# Altium PCB QCLogic Rev A.PcbDoc (part 3 of 3)
Units mm, origin at the board's own origin, x right, y up, seen from the top; angles counter-clockwise.
Board outline 42 x 51.55 mm, 6 copper layers (Layer 1, Layer 2, Layer 3, Layer 4, Layer 5, Layer 6), stack 1.598 mm thick; 239 components, 183 nets, 740 pads, 472 vias.
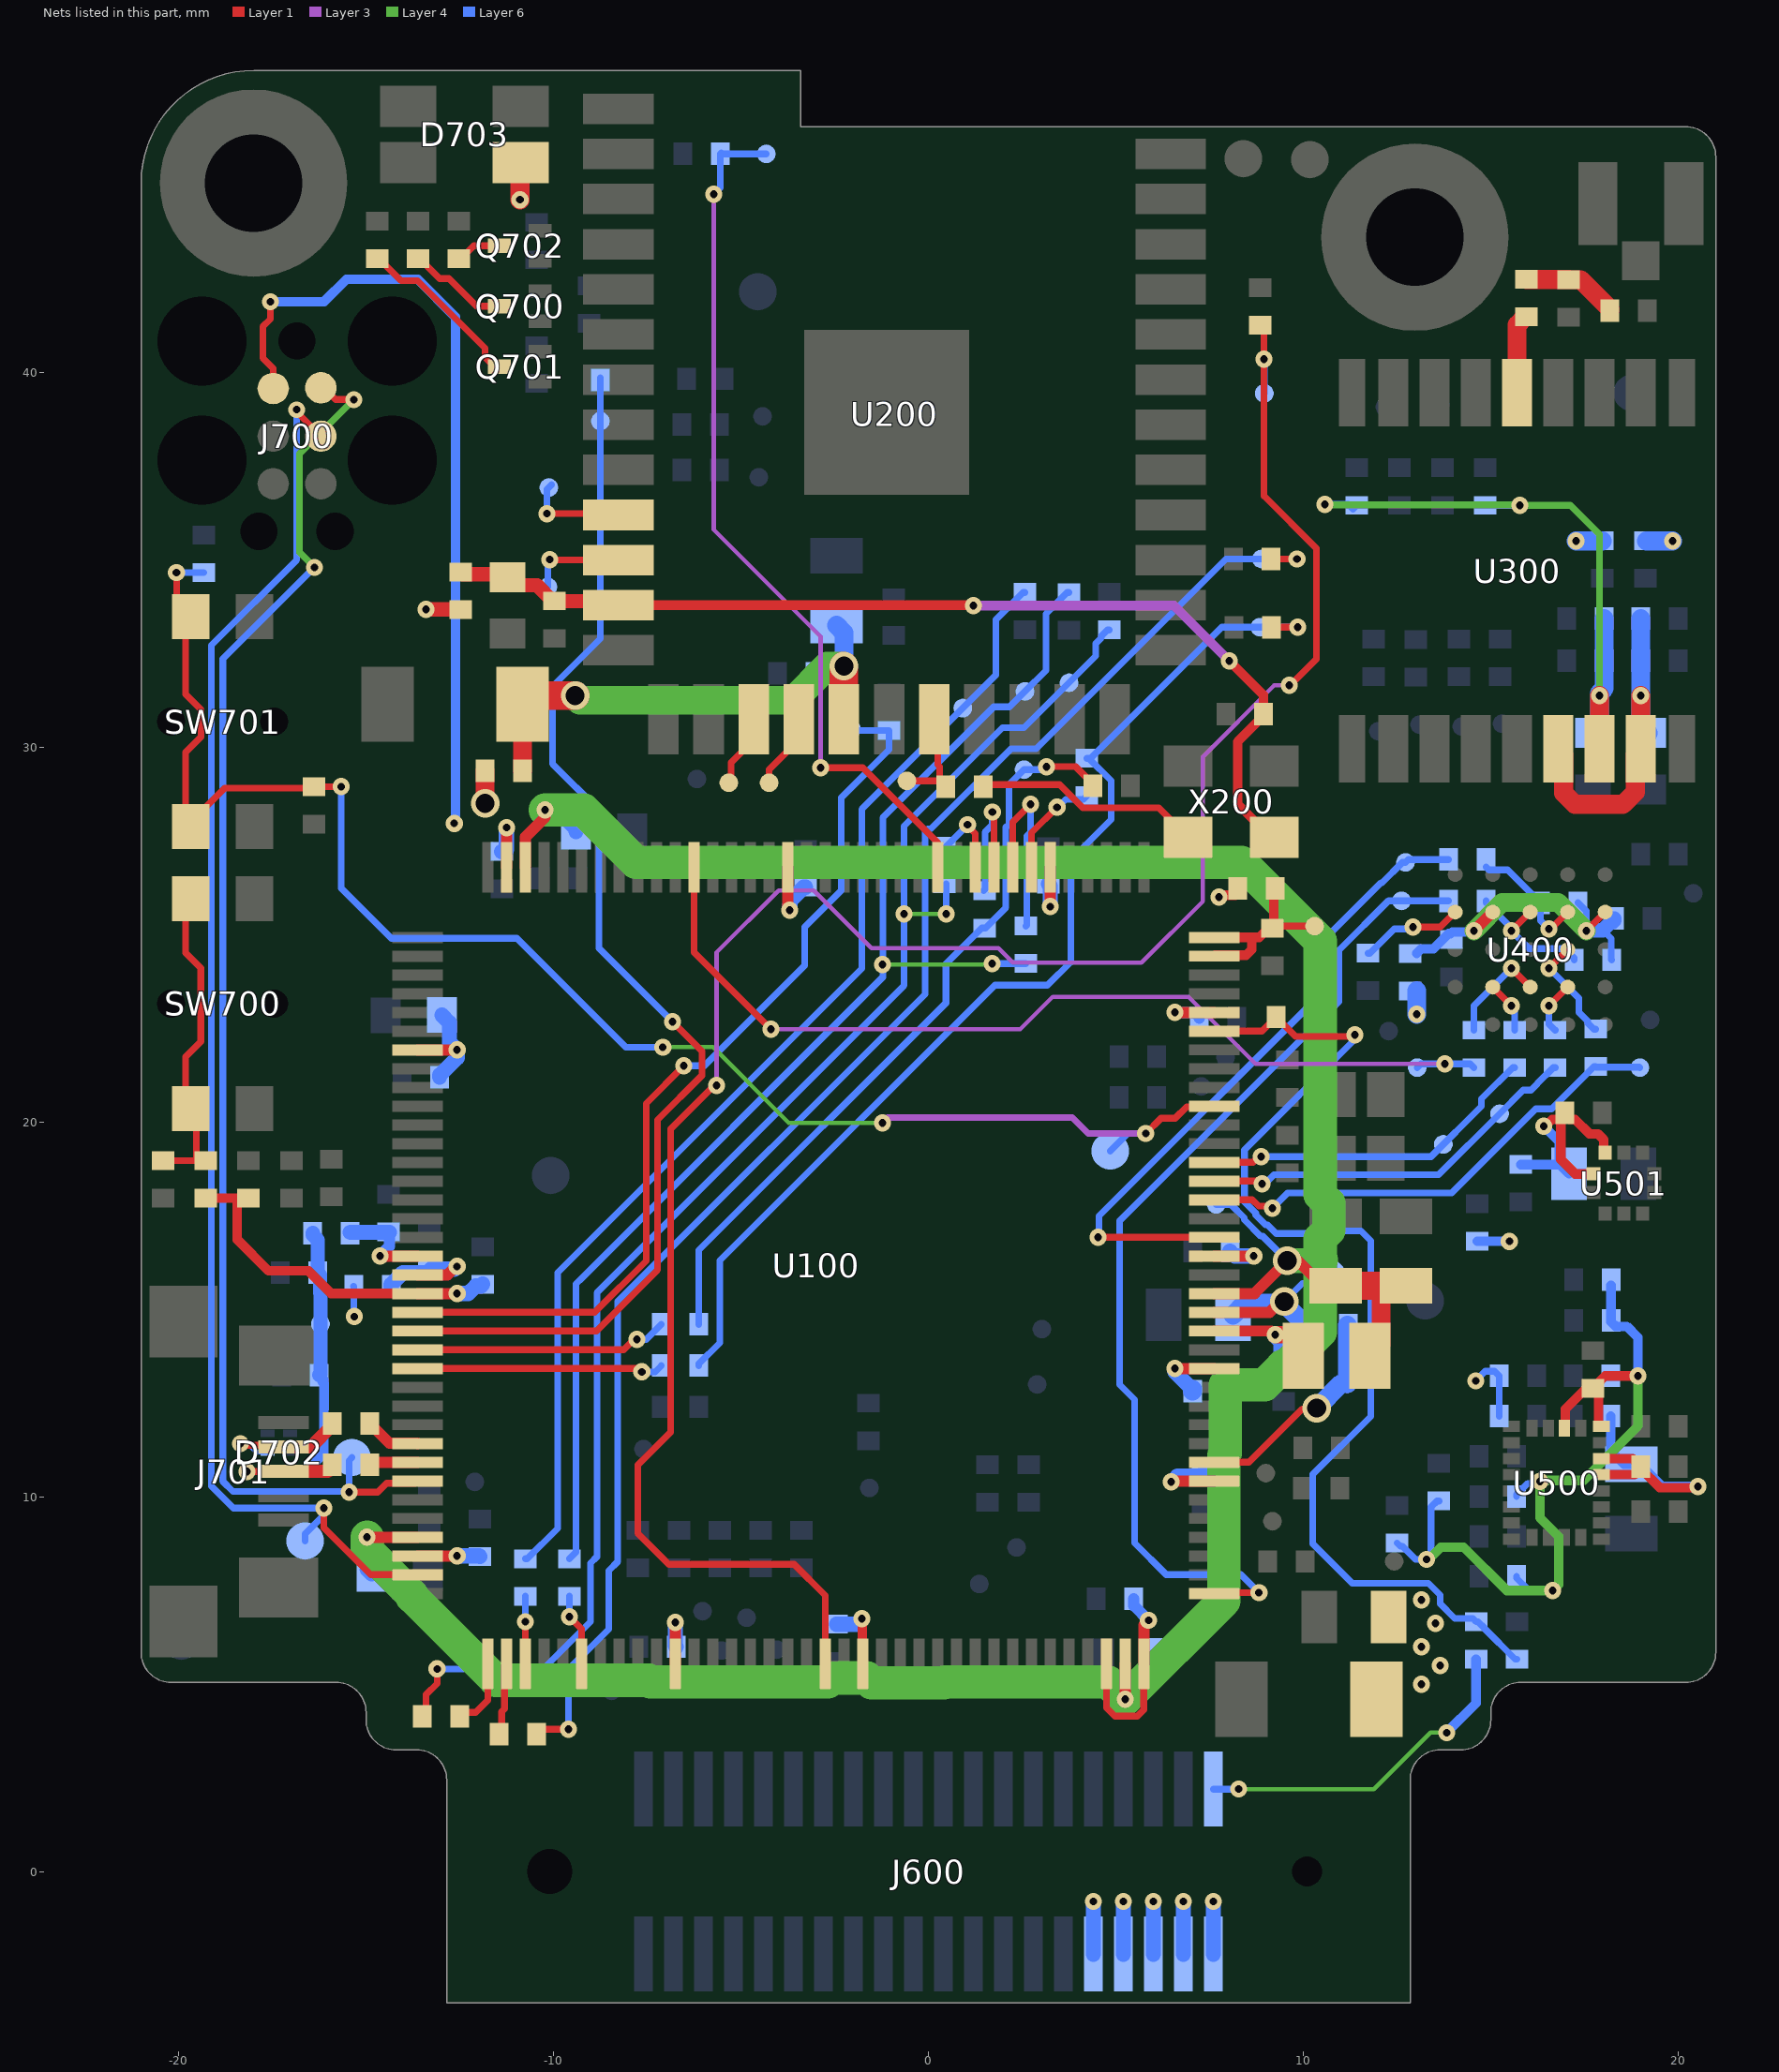
[diagram p7: the nets of this part, all layers, seen from the top]

## Via types
v1: diameter 0.457, hole 0.203, Layer 1 to Layer 6, tented both sides, 389 vias
v2: diameter 0.45, hole 0.2, Layer 1 to Layer 6, tented both sides, 52 vias
v3: diameter 0.508, hole 0.254, Layer 1 to Layer 6, 25 vias
v4: diameter 0.762, hole 0.508, Layer 1 to Layer 6, tented both sides, 6 vias

## Nets (pads, with @x,y where several pads share a name; then routed paths per layer and width w, separated by ;. In a path a pad name is that pad's centre, name@x,y a point inside that pad or via, vN(x,y) a via of type N, cw(c..) or ccw(c..) an arc to the next point about the centre after c; other vN are vias at no path point) (continued)
NetQ700_3: Q700.3 R706.1 | length 2.7
  Layer 1 w0.178: R706.1@-13.612,43.025 -13.562,43.025 -13.037,42.5 -12.787,42.5 -12.05,41.762 Q700.3@-11.446,41.762
NetQ701_3: Q701.3 R707.1 | length 4.6
  Layer 1 w0.178: R707.1@-14.7,43.025 -14.65,43.025 -14.067,42.443 -13.627,42.443 -11.825,40.641 -11.825,40.4 -11.575,40.15 Q701.3@-11.446,40.15
NetQ702_3: Q702.3 R708.1 | length 1.2
  Layer 1 w0.178: R708.1@-12.525,43.025 -12.475,43.025 -12.125,43.375 Q702.3@-11.446,43.375
NetR215_1: R215.1 X200.3 | length 6.6
  Layer 1 w0.178: R215.1@1.339,28.949 1.389,29 3.502,29 4.117,28.384 6.145,28.384 6.911,27.618 X200.3@7.309,27.618
NetR215_2: R215.2 TP214.1 U200.20 | length 3.2
  Layer 1 w0.178: TP214.1@-0.575,29.1 R215.2@0.313,29.1 ; U200.20@0.157,30.743 U200.20@0.248,30.652 ; U200.20@0.339,30.561 U200.20@0.248,30.652 ; U200.20@0.248,30.652 0.248,29.536 0.303,29.481 R215.2@0.303,29.125 ; R215.2@0.303,29.125 0.303,29.11 R215.2@0.313,29.1 ; R215.2@0.303,29.125 0.464,28.964 R215.2@0.464,28.949 R215.2@0.313,29.1
NetR701_2: R701.2 R703.1 SW700.2 SW700.4 | length 8.6
  Layer 1 w0.178: R703.1@-20.419,18.966 -19.427,18.966 -19.525,19.064 -19.525,20.008 -19.874,20.358 -19.808,20.358 -19.808,21.742 -19.405,22.145 -19.405,24.106 -19.808,24.509 -19.808,25.892 SW700.4@-19.874,25.958
NetTP212_1: TP212.1 U200.16 | length 2
  Layer 1 w0.178: TP212.1@-5.325,29.05 -5.263,29.112 -5.263,29.587 -4.7,30.15 -4.7,30.702 U200.16@-4.659,30.743
NetTP213_1: TP213.1 U200.17 | length 2
  Layer 1 w0.178: TP213.1@-4.25,29.05 -4.25,29.4 -3.525,30.125 -3.525,30.673 U200.17@-3.455,30.743
NetTP215_1: TP215.1 U200.10 | length 2.7
  Layer 1 w0.178: v1(-10.174,36.227) -8.303,36.227 U200.10@-8.27,36.194
  Layer 6 w0.178: v1(-10.174,36.227) -10.174,36.875 TP215.1@-10.125,36.925 TP215.1@-10.05,37
NetTP216_1: TP216.1 U200.11 | length 2.6
  Layer 1 w0.178: v1(-10.099,35.002) -10.087,34.99 U200.11@-8.27,34.99
  Layer 6 w0.178: TP216.1@-10.15,34.275 -10.15,34.952 v1(-10.099,35.002)
nRESET: D701.2 R704.1 SW701.2 SW701.4 TP702.1 U100.27 | length 42.9
  Layer 1 w0.178: v1(-20.055,34.654) -20.055,33.657 -19.808,33.411 -19.808,31.409 -19.4,31 -19.4,30.275 -19.808,29.866 -19.808,28.042 -19.874,27.976 -19.874,27.876 -19.798,27.876 -18.769,28.905 -16.575,28.905 -16.533,28.948 v1(-15.661,28.948) ; v1(5.796,19.692) 6.205,20.1 6.583,20.1 6.892,20.409 7.609,20.409 U100.27@7.625,20.425
  Layer 3 w0.178: v1(-1.225,19.975) -1.083,20.117 3.834,20.117 4.259,19.692 v1(5.796,19.692)
  Layer 4 w0.114: v1(-7.084,21.996) -5.746,21.996 -3.725,19.975 v1(-1.225,19.975)
  Layer 6 w0.178: v1(-20.055,34.654) R704.1@-19.327,34.654 ; v1(-15.661,28.948) -15.661,26.236 -14.325,24.9 -10.975,24.9 -8.071,21.996 v1(-7.084,21.996) ; TP702.1@4.85,19.225 5.317,19.692 v1(5.796,19.692)
QSPI1_CSn: R409.2 U400.C2 | length 2.8
  Layer 1 w0.178: v1(15.55,24.1) U400.C2@16.05,23.6
  Layer 6 w0.178: R409.2@14.55,22.45 14.55,23.1 v1(15.55,24.1)
QSPI1_D0: R404.2 U400.D3 | length 2.9
  Layer 1 w0.178: v1(16.55,24.1) U400.D3@17.05,24.6
  Layer 6 w0.178: v1@16.55,24.066 16.584,24.066 17.35,23.3 17.35,22.925 17.589,22.686 17.589,22.636 17.75,22.475 R404.2@17.8,22.475
QSPI1_D1: R405.2 U400.D2 | length 1.4
  Layer 1 w0.178: v1(16.55,23.1) U400.D2@17.05,23.6
  Layer 6 w0.178: v1(16.55,23.1) 16.55,22.611 16.712,22.45 R405.2@16.717,22.45
QSPI1_D2: R400.2 R406.2 U400.C4 | length 3.8
  Layer 1 w0.178: v1(15.55,25.1) U400.C4@16.05,25.6
  Layer 6 w0.178: R406.2@14.875,25.9 14.875,25.85 15.507,25.219 15.507,25.144 v1(15.55,25.1) 16.025,24.625 16.925,24.625 17.014,24.536 17.064,24.536 17.225,24.375 R400.2@17.225,24.325
QSPI1_D3: R401.2 R407.2 U400.D4 | length 3.3
  Layer 1 w0.178: v1@16.576,25.125 U400.D4@17.05,25.6
  Layer 6 w0.178: R407.2@14.875,26.8 14.95,26.725 15.45,26.725 R401.2@16.325,25.85 16.325,25.376 v1(16.55,25.151)
QSPI1_RESETn: R408.2 U400.A4 | length 2.9
  Layer 1 w0.178: v1(12.925,25.2) 13.65,25.2 U400.A4@14.05,25.6
  Layer 6 w0.18: R408.2@11.725,24.5 11.775,24.5 12.427,25.152 12.878,25.152 v1@12.882,25.157 ; v1@12.807,25.157 v1@12.882,25.157 ; v1(12.925,25.2) v1@12.882,25.157
QSPI1_SCK: R402.2 U400.B2 | length 1.4
  Layer 1 w0.178: U400.B2@15.05,23.6 v1(15.55,23.1)
  Layer 6 w0.178: v1(15.55,23.1) 15.55,23.05 15.634,22.967 R402.2@15.634,22.45
QSPI_CLK: R402.1 TP400.1 U100.24 | length 9.2
  Layer 1 w0.18: U100.24@7.625,18.925 8.664,18.925 8.814,19.075 v1(8.875,19.075)
  Layer 6 w0.18: v1(8.875,19.075) 13.405,19.075 14.75,20.42 14.75,20.617 15.584,21.45 R402.1@15.634,21.45
QSPI_CSN: R409.1 TP406.1 U100.61 | length 26
  Layer 1 w0.18: U100.61@-6.25,26.8 -6.25,24.525 v1(-4.2,22.475)
  Layer 3 w0.115: v1(-4.2,22.475) 2.45,22.475 3.313,23.338 6.938,23.338 8.724,21.551 v1(13.777,21.551)
  Layer 6 w0.178: TP406.1@13.038,21.45 13.139,21.551 v1(13.777,21.551) 13.777,21.449 v1@13.8,21.425
  Layer 6 w0.18: v1(13.777,21.551) 14.449,21.551 R409.1@14.55,21.45
QSPI_IO0: R404.1 TP401.1 U100.22 | length 13
  Layer 1 w0.18: U100.22@7.625,17.925 8.64,17.925 8.811,17.754 9.123,17.754 v1(9.177,17.701)
  Layer 6 w0.18: v1(9.177,17.701) 9.582,18.106 13.957,18.106 16.2,20.35 16.625,20.35 17.75,21.475 R404.1@17.8,21.475 17.813,21.463 18.963,21.463 TP401.1@18.975,21.45
QSPI_IO1: R405.1 TP402.1 U100.23 | length 10.4
  Layer 1 w0.18: U100.23@7.625,18.425 8.825,18.425 v1(8.9,18.35)
  Layer 6 w0.18: v1(8.9,18.35) 8.976,18.35 9.216,18.591 13.606,18.591 TP402.1@15.235,20.219 15.865,20.85 16.075,20.85 16.253,21.027 16.253,21.036 16.667,21.45 R405.1@16.717,21.45
QSPI_IO2: R406.1 TP403.1 U100.1 | length 27
  Layer 1 w0.178: U100.1@7.588,7.388 U100.1@7.625,7.425 7.643,7.442 v1(8.817,7.442)
  Layer 6 w0.178: v1(8.817,7.442) 8.334,7.925 6.343,7.925 5.498,8.77 5.498,12.595 5.102,12.991 5.102,17.363 10.95,23.211 10.95,24.58 12.27,25.9 TP403.1@12.621,25.9 R406.1@13.875,25.9
QSPI_IO3: R407.1 TP404.1 U100.20 | length 17.8
  Layer 1 w0.178: v1@4.451,16.926 v1(4.526,16.926) U100.20@7.625,16.925
  Layer 6 w0.178: v1(4.526,16.926) 4.55,16.95 4.55,17.494 10.468,23.411 10.468,24.78 12.07,26.383 12.101,26.383 12.643,26.925 TP404.1@12.725,26.925 12.8,27 R407.1@13.875,27
SWDCLK: J700.4 TP703.1 U100.107 | length 38.5
  Layer 1 w0.178: v2(-16.85,39) -16.85,38.94 J700.4@-16.206,38.296 ; v1(-16.125,9.7) -16.125,9.175 -14.875,7.925 U100.107@-13.625,7.925
  Layer 6 w0.178: v2(-16.85,39) -16.85,34.989 -19.123,32.715 -19.123,10.288 -18.536,9.7 v1(-16.125,9.7) -16.178,9.647 -16.178,9.461 -16.625,9.015 TP703.1@-16.625,8.825
SWDIO: J700.2 TP701.1 U100.102 | length 38
  Layer 1 w0.178: J700.2@-16.206,39.586 -16.128,39.586 -15.816,39.275 v2(-15.325,39.275) ; v1(-15.45,10.125) -14.687,10.125 -14.45,10.363 -13.686,10.363 U100.102@-13.625,10.425
  Layer 4 w0.178: v2(-16.375,34.8) -16.775,35.2 -16.775,37.825 v2(-15.325,39.275)
  Layer 6 w0.178: v2(-16.375,34.8) -18.819,32.356 -18.819,10.414 -18.552,10.147 v1@-15.453,10.147 ; v1(-15.45,10.125) -15.45,10.144 v1@-15.453,10.147 ; TP701.1@-15.375,11.05 -15.453,10.971 v1@-15.453,10.147
USB_D_N: D702.2 J701.2 R105.1 | length 3.6
  Layer 1 w0.178: v2(-18.35,11.425) -18.3,11.375 -17.251,11.375 J701.2@-17.201,11.325
  Layer 1 w0.35: J701.2@-17.201,11.325 -16.476,11.325 -15.898,11.902 R105.1@-15.898,11.952
  Layer 6 w0.127: v2(-18.35,11.425) -18.164,11.425 -17.93,11.191 D702.2@-17.622,11.191
USB_D_P: D702.1 J701.3 R106.1 | length 2.9
  Layer 1 w0.178: v1(-18.178,10.675) J701.3@-17.201,10.675
  Layer 1 w0.35: J701.3@-17.201,10.675 -16.026,10.675 -15.898,10.802 R106.1@-15.898,10.852
  Layer 6 w0.127: v1(-18.178,10.675) -18.162,10.691 D702.1@-17.622,10.691
USB_DM: R105.2 U100.100 | length 1.5
  Layer 1 w0.3: R105.2@-14.898,11.952 -14.898,11.902 -14.798,11.802 -14.748,11.802 -14.38,11.434 -13.633,11.434 U100.100@-13.625,11.425
USB_DP: R106.2 U100.101 | length 1.3
  Layer 1 w0.3: R106.2@-14.898,10.852 -14.834,10.916 -13.633,10.916 U100.101@-13.625,10.925
V3_3D: C600.1 C601.1 D703.1 J600.1 J600.3 J600.5 J600.7 J600.9 R200.2 R216.1 R300.1 R302.1 R403.2 R500.1 R501.1 R524.1 R800.1 R802.2 TP801.1 U100.8 | length 21.3
  Layer 1 w0.178: U100.8@7.625,10.925 8.55,10.925 9.97,12.344 10.337,12.344 v4(10.359,12.367)
  Layer 1 w0.381: v1(-13.4,33.675) R200.2@-12.475,33.675
  Layer 1 w0.508: v4(-11.825,28.5) R216.1@-11.825,29.375 ; v1(-10.894,44.602) -10.894,45.581 D703.1@-10.875,45.6
  Layer 6 w0.178: R802.2@-15.331,15.615 -15.321,15.605 -15.321,14.819 v1(-15.311,14.809) ; v2(14.6,13.1) 14.85,13.35 15.1,13.35 R500.1@15.225,13.225 R501.1@15.225,12.15
  Layer 6 w0.254: R524.1@14.636,16.823 14.64,16.819 15.493,16.819 v1(15.497,16.815)
  Layer 6 w0.406: J600.9@4.4,-2.2 v2(4.4,-0.799) ; J600.7@5.2,-2.2 v2(5.2,-0.799) ; J600.5@6,-2.2 v2(6,-0.799) ; J600.3@6.8,-2.2 v2(6.8,-0.799) ; J600.1@7.6,-2.2 v2(7.6,-0.799)
  Layer 6 w0.508: v4(10.359,12.367) 11.012,13.019 TP801.1@11.175,13.019 R800.1@11.175,14.575 ; v1(13.025,22.875) R403.2@13.025,23.5 ; v1(17.275,35.5) R300.1@17.975,35.5 ; R302.1@19.15,35.5 v1(19.85,35.5)
  other v1: 13.15,5 13.65,5.5 13.15,6 13.527,6.625 13.15,7.25
V_GPS_IO: C300.1 C301.2 L300.2 R303.1 R304.1 U300.7 | length 18.4
  Layer 1 w0.508: U300.7@17.9,29.95 v1(17.9,31.375)
  Layer 4 w0.178: v1(10.575,36.475) 10.588,36.463 15.763,36.463 v1(15.775,36.45) 17.125,36.45 17.9,35.675 v1(17.9,31.375)
  Layer 6 w0.178: v1(10.575,36.475) 11.2,36.475 11.325,36.35 R304.1@11.425,36.45 ; R303.1@14.851,36.45 v1(15.775,36.45)
  Layer 6 w0.508: C300.1@17.775,30.375 17.9,30.5 v1(17.9,31.375) 17.9,31.444 18.025,31.569 C301.2@18.025,32.3 L300.2@18.025,33.425
V_GPS_RF: R305.1 U300.14 | length 2.2
  Layer 1 w0.508: U300.14@15.7,39.45 15.7,41.267 15.908,41.475 R305.1@15.95,41.475
V_GPS_VCC: C302.1 C303.2 L301.2 U300.6 U300.8 | length 9.2
  Layer 1 w0.508: U300.6@16.8,29.95 16.946,29.804 16.946,28.773 17.244,28.475 18.525,28.475 18.854,28.804 18.854,29.804 U300.8@19,29.95 v1(19,31.375)
  Layer 6 w0.508: L301.2@19,33.425 C303.2@19,32.3 v1(19,31.375) 19,30.521 19.146,30.375 C302.1@19.2,30.375
V_IMU_IO: C502.2 L500.2 R513.2 R514.2 R515.2 R516.2 R517.1 R518.1 U500.1 U500.3 | length 24
  Layer 1 w0.254: U500.3@16.965,11.825 16.988,11.848 16.988,12.338 17.55,12.9 C502.2@17.725,12.9 ; U500.1@17.95,11.88 17.875,11.88 17.875,12.754 17.729,12.9 C502.2@17.725,12.9 ; v1(18.925,13.225) 18.05,13.225 C502.2@17.725,12.9
  Layer 4 w0.254: v1(13.287,8.331) 13.342,8.331 13.668,8.658 14.275,8.658 15.433,7.5 v1(16.65,7.5) 16.808,7.658 16.808,8.945 16.31,9.443 v1(16.31,10.414) 16.335,10.439 17.475,10.439 18.925,11.89 v1(18.925,13.225)
  Layer 6 w0.178: R516.2@12.504,8.771 12.593,8.681 12.644,8.681 12.994,8.331 v1(13.287,8.331) 13.287,8.407 13.407,8.526 13.407,9.727 13.568,9.889 R515.2@13.618,9.889 ; R517.1@15.689,7.882 15.689,7.832 16.021,7.5 v1(16.65,7.5) ; R518.1@15.689,10.012 15.689,10.062 15.988,10.361 16.256,10.361 v1(16.31,10.414) ; L500.2@18.2,13.225 18.875,13.225 v1@18.9,13.225
  Layer 6 w0.254: R514.2@18.207,15.646 R513.2@18.207,14.707 18.207,14.67 18.33,14.547 18.628,14.547 18.925,14.25 v1(18.925,13.225) ; v1@18.875,13.198 v1@18.875,13.225
V_IMU_VDD: C500.2 C501.1 L501.2 U500.22 U500.23 | length 7.7
  Layer 1 w0.254: U500.22@17.95,10.59 18.84,10.59 C500.2@19,10.75 ; U500.23@17.95,11.02 18.78,11.02 18.827,10.973 18.877,10.973 19,10.85 C500.2@19,10.8 C500.2@19,10.75 ; v1(20.527,10.276) 20.486,10.276 20.456,10.246 19.504,10.246 C500.2@19,10.75
  Layer 6 w0.254: L501.2@18.2,12.15 18.2,11.223 18.548,10.875 C501.1@18.75,10.875 18.975,10.875 19.575,10.276 v1(20.527,10.276)
V_LPS22: C505.2 C506.1 L502.2 U501.1 U501.10 | length 7.1
  Layer 1 w0.254: v1(16.411,19.888) 16.453,19.888 16.635,20.071 16.855,20.071 C505.2@16.868,20.084 ; C505.2@16.978,20.244 C505.2@16.978,20.194 ; U501.1@17.732,18.614 17.253,18.614 16.868,18.999 C505.2@16.868,20.084 ; U501.10@18.045,19.177 18.009,19.213 18.009,19.535 17.859,19.685 17.628,19.685 17.242,20.071 17.101,20.071 C505.2@16.978,20.194 ; C505.2@16.868,20.084 C505.2@16.978,20.194
  Layer 6 w0.254: L502.2@15.802,18.864 C506.1@16.839,18.864 ; v1(16.411,19.888) 16.824,19.475 16.824,18.879 C506.1@16.839,18.864 ; C506.1@17.085,18.618 C506.1@16.839,18.864
VBAT: J600.2 R112.1 | length 9.1
  Layer 4 w0.114: v2(8.275,2.2) 11.883,2.2 13.391,3.708 v2(13.82,3.708)
  Layer 6 w0.178: J600.2@7.6,2.2 v2(8.275,2.2)
  Layer 6 w0.254: v2(13.82,3.708) 14.608,4.496 R112.1@14.608,5.672
VBAT_SENSE: C100.2 R112.2 R113.1 U100.31 | length 29.3
  Layer 1 w0.178: U100.31@7.625,22.425 8.9,22.425 C100.2@9.275,22.8 9.791,22.284 11.335,22.284 v1(11.375,22.325)
  Layer 6 w0.178: v1(11.375,22.325) 11.375,22.204 8.431,19.259 8.431,17.87 8.732,17.569 8.732,17.517 8.992,17.256 9.044,17.256 9.276,17.025 10.575,17.025 10.646,17.095 11.536,17.095 11.796,16.835 11.796,12.146 10.25,10.6 10.25,8.75 11.306,7.695 13.335,7.695 13.65,7.379 13.65,7.149 14.041,6.758 14.522,6.758 R112.2@14.608,6.672 14.658,6.672 14.819,6.511 14.819,6.502 15.649,5.672 R113.1@15.699,5.672
VBAT_WIFI: C200.1 C201.1 C202.2 R216.2 U200.18 | length 14.4
  Layer 1 w0.508: R216.2@-10.825,29.375 C200.1@-10.825,31.15
  Layer 1 w0.762: C200.1@-10.825,31.15 -10.6,31.375 v4(-9.425,31.375) ; U200.18@-2.276,30.718 U200.18@-2.251,30.743 v4(-2.251,32.159)
  Layer 4 w0.762: v4(-9.425,31.375) -9.3,31.25 -3.61,31.25 -2.701,32.159 v4(-2.251,32.159)
  Layer 6 w0.381: C202.2@-3.025,31.975 -3.025,32.025 -2.965,32.084 -2.428,32.084 -2.354,32.159 v4(-2.251,32.159)
  Layer 6 w0.508: C201.1@-2.45,33.25 -2.251,33.051 v4(-2.251,32.159)
VCC_MEM: C400.1 C401.1 R400.1 R401.1 R403.1 U400.B4 U400.E4 | length 9.5
  Layer 1 w0.178: v1(17.55,25.1) U400.E4@18.05,25.6
  Layer 1 w0.3: v1(14.55,25.1) U400.B4@15.05,25.6
  Layer 4 w0.508: v1(14.55,25.1) 15.308,25.857 16.793,25.857 v1(17.55,25.1)
  Layer 6 w0.178: R401.1@17.325,25.85 17.55,25.625 v1(17.55,25.1) v1@17.557,25.1 ; 17.99,25.115 18.213,24.892 18.213,24.338 R400.1@18.225,24.325
  Layer 6 w0.254: R403.1@13.025,24.5 13.148,24.623 13.473,24.623 13.875,25.025 13.925,25.025 13.971,25.071 14.521,25.071 v1(14.55,25.1)
  Layer 6 w0.381: v1(17.55,25.1) 17.565,25.115 17.99,25.115 18.191,25.316 18.241,25.316 18.3,25.375 C401.1@18.3,25.425
VDD33USB: C816.1 R802.1 U100.91 | length 3.2
  Layer 1 w0.3: U100.91@-13.625,15.925 -12.824,15.925 -12.602,16.148 v1(-12.573,16.148) v1@-12.598,16.122
  Layer 6 w0.406: R802.1@-14.331,15.615 -14.331,15.665 -14.015,15.982 -13.357,15.982 C816.1@-13.31,16.029 -13.263,16.075 -12.645,16.075 v1(-12.573,16.148)
VDD50USB: C813.1 R801.1 U100.90 | length 2.8
  Layer 1 w0.3: v1(-14.628,16.425) U100.90@-13.625,16.425
  Layer 6 w0.3: v1(-14.628,16.425) -14.628,16.43 -14.374,16.684 C813.1@-14.374,17.053
  Layer 6 w0.406: R801.1@-15.42,17.053 C813.1@-14.374,17.053
VDD_ANT_3V0: C305.1 L303.2 R305.2 | length 2.6
  Layer 1 w0.508: R305.2@15.95,42.475 15.951,42.474 C305.1@17.077,42.473 C305.1@17.077,42.473 17.081,42.469 17.398,42.469 18.176,41.692 L303.2@18.176,41.65
VDD_MCU: C800.1 C801.1 C802.2 C803.2 C804.2 C805.2 C806.2 C807.2 C808.2 C809.2 C817.2 C818.2 C819.2 C820.2 C821.2 J700.1 L801.1 R700.1 R701.1 R800.2 TP700.1 U100.7 U100.13 U100.16 U100.19 U100.32 U100.42 U100.56 U100.71 U100.79 U100.92 U100.106 U100.119 U100.129 U100.142 U100.144 | length 65.2
  Layer 1 w0.178: v2(-17.549,41.885) -17.549,41.421 -17.755,41.215 -17.755,40.38 -17.476,40.101 J700.1@-17.476,39.566 ; U100.142@4.75,5.55 4.75,4.375 4.975,4.15 5.575,4.15 5.743,4.318 5.743,5.543 U100.144@5.75,5.55
  Layer 1 w0.254: R701.1@-19.427,17.966 R701.1@-19.277,17.966 -18.434,17.966 -18.434,16.862 -17.599,16.027 -16.533,16.027 -15.93,15.425 U100.92@-13.625,15.425 ; v1(-1.774,6.75) -1.774,6.725 -1.762,6.713 -1.762,5.562 U100.129@-1.75,5.55 ; L801.1@8.25,26.1 8.191,26.04 v1@7.845,26.04 ; L801.1@8.25,26.225 8.25,26.175 8.127,26.052 7.857,26.052 v1@7.845,26.04 ; v1@7.845,26.04 7.806,26.001 v1(7.751,26.001) 7.79,26.04 v1@7.845,26.04
  Layer 1 w0.3: U100.106@-13.625,8.425 v1(-12.572,8.425) ; U100.92@-13.625,15.425 v1(-12.572,15.425) ; U100.79@-13.625,21.925 v1(-12.572,21.925) ; U100.71@-11.25,26.8 v1(-11.25,27.853) ; U100.119@-6.749,5.55 v1(-6.749,6.65) ; U100.56@-3.75,26.8 -3.75,25.702 v1(-3.699,25.651) ; v1(3.25,25.747) U100.42@3.25,26.8 ; U100.144@5.75,5.55 5.75,6.586 v1(5.87,6.706) ; v1(6.475,10.4) 6.5,10.425 U100.7@7.625,10.425 ; v1(6.572,13.425) U100.13@7.625,13.425 ; v1(6.572,22.925) U100.32@7.625,22.925 ; U100.16@7.625,14.925 9.099,14.925 9.382,15.208 v4(9.493,15.208) ; U100.19@7.625,16.425 v1(8.678,16.425)
  Layer 6 w0.178: v4(9.493,15.208) 9.978,15.693 10.493,15.693 TP700.1@10.65,15.85
  Layer 6 w0.254: v2(-17.549,41.885) -16.115,41.885 -15.519,42.481 -13.619,42.481 -12.617,41.478 -12.617,27.995 v1(-12.646,27.965)
  Layer 6 w0.3: v1@-6.751,6.602 -6.749,6.603 v1(-6.749,6.65) ; C820.2@5.479,7.283 5.479,7.097 v1(5.87,6.706) ; v1(6.572,22.925) 6.583,22.914 7.086,22.914 7.1,22.9 7.15,22.9 7.225,22.825 C818.2@7.225,22.775
  Layer 6 w0.406: C802.2@-13.035,21.199 -13.035,21.249 -12.572,21.712 v1(-12.572,21.925) -12.778,22.131 -12.778,22.653 C801.1@-12.975,22.85 ; v1(-12.572,8.425) -11.979,8.425 C808.2@-11.963,8.409 ; v1(-12.572,15.425) -12.275,15.425 -12.073,15.626 -11.934,15.626 C807.2@-11.887,15.673 ; C806.2@-11.378,27.214 C806.2@-11.328,27.214 ; C806.2@-11.257,27.261 -11.303,27.214 C806.2@-11.328,27.214 ; v1(-11.25,27.853) -11.259,27.843 -11.259,27.333 -11.282,27.311 -11.282,27.261 C806.2@-11.328,27.214 ; v1@-6.751,6.602 -6.751,6.027 C803.2@-6.725,6 ; v1@-3.699,25.791 v1(-3.699,25.651) -3.689,25.661 -3.689,25.902 -3.326,26.265 C809.2@-3.276,26.265 ; C804.2@-2.45,6.6 -1.924,6.6 v1(-1.774,6.75) ; C805.2@3.2,26.35 3.247,26.303 3.247,25.75 v1(3.25,25.747) ; v1(6.475,10.4) 6.489,10.4 6.642,10.553 7.279,10.553 C821.2@7.325,10.6 ; v1(6.572,13.425) 6.572,13.334 C819.2@7.044,12.862 ; C817.2@8.044,16.554 8.044,16.504 8.091,16.457 8.141,16.457 8.173,16.425 v1(8.678,16.425)
  Layer 6 w0.508: C819.2@7.044,12.82 C819.2@7.044,12.862 ; C800.1@8.125,14.85 8.435,15.159 9.445,15.159 v4(9.493,15.208) 9.493,15.149 R800.2@10.134,14.509
VDD_MCU_SMPS_OUT: C810.1 C811.1 C823.1 C824.1 C825.1 L800.1 TP802.1 U100.17 U100.70 U100.105 U100.143 | length 86.6
  Layer 1 w0.3: v1(-14.975,8.925) U100.105@-13.625,8.925 ; U100.70@-10.75,26.8 -10.75,27.6 -10.225,28.125 v1(-10.225,28.325) ; v1(5.25,4.6) U100.143@5.25,5.55 ; U100.17@7.625,15.425 8.695,15.425 v4(9.57,16.3) 9.85,16.3 10.308,15.843 10.651,15.843 C810.1@10.865,15.629
  Layer 1 w0.5: L800.1@11.775,13.76 12.075,14.06 12.075,15.337 C811.1@12.367,15.629
  Layer 1 w0.75: C810.1@10.865,15.629 12.367,15.629 C811.1@12.592,15.629
  Layer 4 w0.66: v4(9.57,16.3) 10.45,16.3
  Layer 4 w0.889: v1(-14.975,8.925) -14.975,8.58 -13.777,7.382 -13.777,7.343 -11.54,5.107 -7.462,5.107 -7.422,5.066 -3.974,5.066 -3.971,5.063 -2.677,5.063 -2.571,5.169 -1.647,5.169 -1.516,5.038 0.423,5.038 0.449,5.064 4.787,5.064 v1(5.25,4.6) 7.878,7.228 7.878,11.113 7.915,11.149 7.915,12.992 8.97,12.992 9.439,13.461 9.439,13.489 9.491,13.437 10.45,14.396 10.45,16.3 ; v1(-10.225,28.325) -9.2,28.325 -7.801,26.926 8.349,26.926 10.45,24.825 10.45,18.058 10.677,17.832 10.677,17.107 10.45,16.881 10.45,16.3 ; 10.477,16.326 10.45,16.3
  Layer 6 w0.178: TP802.1@7.675,17.8 8.07,17.8 8.427,17.442 8.427,17.39 8.866,16.952 8.918,16.952 v4(9.57,16.3)
  Layer 6 w0.406: v1(-14.975,8.925) -14.975,8.075 C823.1@-14.85,7.95 ; v1(-10.225,28.325) -9.9,28.325 -9.4,27.825 C824.1@-9.4,27.75 ; v1(5.25,4.6) 6.05,5.4 C825.1@6.05,5.75
VDDA: C822.2 L801.2 TP805.1 U100.35 U100.36 | length 5.4
  Layer 1 w0.178: C822.2@9.175,25.225 9.213,25.225 TP805.1@10.3,25.225
  Layer 1 w0.254: U100.35@7.625,24.425 7.65,24.45 8.477,24.45 8.625,24.599 8.625,24.925 ; U100.36@7.625,24.925 8.625,24.925 ; C822.2@9.175,25.175 9.213,25.212 9.213,25.225 C822.2@9.213,25.263 ; L801.2@9.25,26.1 L801.2@9.213,26.063 ; L801.2@9.25,26.225 9.213,26.188 L801.2@9.213,26.063 ; 8.625,24.925 8.825,24.925 9.125,25.225 9.175,25.225 C822.2@9.213,25.263 ; C822.2@9.213,25.263 L801.2@9.213,26.063
VDDIO_WIFI: C203.2 C204.1 C205.2 R200.1 U200.12 X200.4 | length 27.2
  Layer 1 w0.254: U200.12@-8.27,33.786 1.19,33.786 v1(1.2,33.775) ; v1(8.025,32.3) 8.933,31.392 C205.2@8.933,30.88 8.933,30.83 8.25,30.147 8.25,28.479 9.13,27.6 X200.4@9.23,27.6
  Layer 1 w0.381: R200.1@-12.475,34.675 -12.415,34.615 -11.315,34.615 C204.1@-11.224,34.525 -11.015,34.316 -10.44,34.316 -10.025,33.9 C203.2@-9.975,33.9 ; C203.2@-9.9,33.9 -9.896,33.896 -8.381,33.896 U200.12@-8.27,33.786
  Layer 3 w0.254: v1(1.2,33.775) 6.55,33.775 v1(8.025,32.3)
VLXSMPS: C812.2 L800.2 U100.15 | length 3.7
  Layer 1 w0.3: U100.15@7.625,14.425 9.149,14.425 v1(9.248,14.326)
  Layer 1 w0.457: v1(9.248,14.326) 9.635,14.326 9.684,14.375 10.005,14.054 L800.2@10.005,13.76
  Layer 6 w0.457: v1(9.248,14.326) 9.425,14.149 9.425,13.575 C812.2@9.475,13.575
VUSB_VBUS: C700.2 D702.6 R705.2 R801.2 TP804.1 | length 7.2
  Layer 6 w0.254: D702.6@-17.022,10.691 -17.022,10.695 -16.579,10.695 -16.129,11.146 -16.129,12.339 -16.117,12.351 -16.117,13.023 -16.179,13.086 -16.131,13.134 R705.2@-16.246,13.248
  Layer 6 w0.381: R801.2@-16.42,17.037 -16.42,16.987 -16.285,16.851 C700.2@-16.285,15.977 -16.225,15.917 -16.225,15.444 -16.216,15.434 TP804.1@-16.216,14.613 -16.216,13.279 R705.2@-16.246,13.248
WIFI_CHIP_EN: R211.2 TP203.1 U100.93 | length 24.8
  Layer 1 w0.178: U100.93@-13.625,14.925 -8.897,14.925 -7.528,16.294 -7.528,20.497 v1(-6.525,21.5)
  Layer 6 w0.178: v1(-6.525,21.5) -5.975,21.5 -3.3,24.175 -3.3,25.2 -2.325,26.175 -2.325,28.65 -1.047,29.928 R211.2@-1.047,30.447 -2.022,30.447 TP203.1@-2.05,30.475
WIFI_IRQN: R201.1 TP205.1 U100.127 | length 57.4
  Layer 1 w0.178: v1(-5.65,20.975) -5.711,20.975 -6.875,19.812 -6.875,11.725 -7.75,10.85 -7.75,9.025 -6.925,8.2 -3.581,8.2 -2.75,7.369 U100.127@-2.75,5.55 ; R201.1@8.85,41.25 8.95,41.15 v1(8.95,40.35) 8.95,36.7 8.959,36.692 10.35,35.3 10.35,32.35 9.652,31.652 v1(9.627,31.652)
  Layer 3 w0.114: v1(-5.65,20.975) -5.65,24.522 -3.997,26.175 -3.057,26.175 -1.52,24.638 1.871,24.638 2.259,24.251 5.682,24.251 7.314,25.882 7.314,29.742 9.224,31.652 v1(9.627,31.652)
  Layer 6 w0.178: v1(8.95,40.35) 8.959,40.342 TP205.1@8.959,39.437
WIFI_RESETN: R212.2 TP204.1 U100.94 | length 33.5
  Layer 1 w0.178: U100.94@-13.625,14.425 -8.85,14.425 -7.223,16.052 -7.223,20.058 -6.042,21.238 -6.042,21.893 v1(-6.825,22.675)
  Layer 6 w0.178: R212.2@-8.75,39.85 R212.2@-8.75,39.8 TP204.1@-8.75,38.696 -8.75,32.894 -10.021,31.622 -10.021,29.552 -8.784,28.314 -8.784,24.634 v1(-6.825,22.675)
WIFI_SDIO_CLK: R111.1 R208.2 TP202.1 | length 31.4
  Layer 6 w0.178: R111.1@-10.75,8.35 -10.7,8.35 -9.89,9.159 -9.89,15.979 -1.776,24.093 -1.776,28.349 1.175,31.3 1.8,31.925 1.8,32.663 1.8,33.4 2.525,34.125 R208.2@2.575,34.125
WIFI_SDIO_CMD: R100.2 U100.114 | length 1.9
  Layer 1 w0.178: v1(-9.575,6.8) -9.25,6.475 U100.114@-9.25,5.55
  Layer 6 w0.178: v1(-9.575,6.8) R100.2@-9.575,7.35
WIFI_SDIO_CMD/SPI_SCLK: R100.1 R102.1 R203.1 TP206.1 | length 35.4
  Layer 4 w0.114: v1(-1.224,24.201) 1.677,24.201 v1(1.7,24.225)
  Layer 6 w0.178: R100.1@-9.575,8.35 -9.401,8.524 -9.401,15.678 -9.227,15.852 -1.217,23.862 -1.217,28.117 1.742,31.076 2.165,31.076 TP206.1@2.575,31.486 3.134,32.045 3.134,33.559 3.7,34.125 R203.1@3.75,34.125 ; v1(1.7,24.225) R102.1@2.6,24.225
WIFI_SDIO_D0: R107.2 U100.95 | length 6.8
  Layer 1 w0.178: U100.95@-13.625,13.925 -8.125,13.925 -7.85,14.2 v1(-7.775,14.2)
  Layer 6 w0.178: v1(-7.775,14.2) -7.525,14.2 R107.2@-7.125,14.6
WIFI_SDIO_D1: R108.2 U100.96 | length 6.6
  Layer 1 w0.178: U100.96@-13.625,13.425 -7.733,13.425 v1(-7.643,13.335)
  Layer 6 w0.178: v1(-7.643,13.335) -7.286,13.335 -7.125,13.496 R108.2@-7.125,13.5
WIFI_SDIO_D2: R109.2 U100.109 | length 2
  Layer 1 w0.178: R109.2@-12.5,4.15 -12.5,4.2 R109.2@-12.4,4.3 ; R109.2@-12.4,4.25 -12.075,4.25 -11.75,4.575 U100.109@-11.75,5.55
WIFI_SDIO_D3: R110.2 U100.110 | length 1.9
  Layer 1 w0.178: R110.2@-11.45,3.7 -11.383,3.767 -11.383,4.267 -11.307,4.343 -11.307,5.492 U100.110@-11.25,5.55
WIFI_SDIO_DAT0/SPI_MISO: R103.1 R107.1 R204.1 TP207.1 | length 20.6
  Layer 1 w0.178: v1(3.151,29.476) 3.931,29.476 4.382,29.025 R204.1@4.382,28.975
  Layer 6 w0.178: R107.1@-6.125,14.6 -6.125,16.583 0.468,23.176 0.468,24.218 1.425,25.175 1.525,25.175 2.067,25.716 2.067,27.862 2.15,27.946 2.15,29 TP207.1@2.55,29.4 2.999,29.4 3.076,29.476 v1(3.151,29.476)
WIFI_SDIO_DAT1/SPI_CS: R101.2 R108.1 R205.1 TP208.1 | length 29.6
  Layer 1 w0.178: R205.1@9.15,33.2 v1(9.85,33.2)
  Layer 6 w0.178: R108.1@-6.125,13.5 -6.125,13.55 -5.566,14.109 -5.566,16.309 1.775,23.65 3.175,23.65 3.798,24.272 3.798,26.997 4.871,28.071 4.871,29.104 R101.2@4.275,29.7 ; R101.2@4.225,29.7 R101.2@4.275,29.7 ; v1(9.85,33.2) TP208.1@8.838,33.2 7.825,33.2 4.325,29.7 R101.2@4.275,29.7
WIFI_SDIO_DAT2/SPI_MOSI: R104.1 R109.1 R206.1 TP209.1 | length 40.5
  Layer 1 w0.178: R109.1@-13.5,4.15 -13.4,4.25 -13.4,4.725 -13.104,5.021 v1(-13.104,5.41)
  Layer 4 w0.114: v1(-0.65,25.55) v1(0.475,25.55)
  Layer 6 w0.178: v1(-13.104,5.41) -10.272,5.41 -9.012,6.67 -9.012,8.23 -8.842,8.4 -8.842,15.446 -8.532,15.757 -0.65,23.639 v1(-0.65,25.55) -0.65,27.894 1.974,30.518 2.551,30.518 TP209.1@3.75,31.718 4.464,32.431 4.464,32.764 4.614,32.914 4.614,32.964 4.775,33.125 R206.1@4.825,33.125 ; v1(0.475,25.55) R104.1@0.475,26.35
WIFI_SDIO_DAT3: R110.1 R207.2 TP201.1 | length 42.4
  Layer 1 w0.178: R110.1@-10.45,3.675 -10.45,3.725 -10.375,3.8 v1(-9.6,3.8) ; R207.2@9.136,35.02 v1(9.831,35.02)
  Layer 6 w0.178: v1(-9.6,3.8) -9.6,5.4 -8.529,6.47 -8.529,8.03 -8.283,8.276 -8.283,15.215 -0.091,23.407 -0.091,27.663 -0.09,27.734 -0.009,27.816 0.062,27.816 2.205,29.959 2.876,29.959 7.937,35.02 TP201.1@8.884,35.02 v1(9.831,35.02)
WIFI_SDIO_SCLK: R111.2 U100.111 | length 1.8
  Layer 1 w0.178: U100.111@-10.75,5.55 v1(-10.75,6.669)
  Layer 6 w0.178: v1(-10.75,6.669) R111.2@-10.75,7.35
WIFI_SER_CFG: R202.2 TP200.1 U100.48 | length 23.5
  Layer 1 w0.178: v1(-2.875,29.45) -1.75,29.45 0.25,27.45 U100.48@0.25,26.8
  Layer 3 w0.114: v1(-5.725,44.75) -5.725,35.8 -2.875,32.95 v1(-2.875,29.45)
  Layer 6 w0.178: v1(-5.725,44.75) -5.55,44.925 R202.2@-5.55,45.825 ; R202.2@-5.525,45.85 R202.2@-5.55,45.825 ; TP200.1@-4.325,45.825 R202.2@-5.55,45.825
WIFI_SPI_CS: R101.1 U100.43 | length 2.8
  Layer 1 w0.178: U100.43@2.75,26.8 2.75,27.716 v1(3.432,28.397)
  Layer 6 w0.178: v1(3.432,28.397) 3.448,28.397 3.457,28.406 3.659,28.608 4.133,28.608 R101.1@4.225,28.7
WIFI_SPI_MISO: R103.2 U100.45 | length 3.7
  Layer 1 w0.178: v1(1.705,28.27) 1.75,28.224 U100.45@1.75,26.8
  Layer 6 w0.178: R103.2@1.475,26.175 1.508,26.207 1.508,27.729 1.705,27.926 v1(1.705,28.27)
WIFI_SPI_MOSI: R104.2 U100.46 | length 2
  Layer 1 w0.178: v1(1.042,27.933) 1.042,27.902 1.25,27.694 U100.46@1.25,26.8
  Layer 6 w0.178: R104.2@0.475,27.35 1.042,27.916 v1(1.042,27.933)
WIFI_SPI_SCLK: R102.2 U100.44 | length 5.2
  Layer 1 w0.178: U100.44@2.25,26.8 2.25,28 v1(2.725,28.475)
  Layer 6 w0.178: R102.2@2.6,25.225 2.625,25.25 2.625,27.63 2.725,27.73 v1(2.725,28.475)
pads on no net: D702.3 D702.5 J600.M1 J700.0 J700.6 J701.4 SW700.G SW701.G U100.9 U100.10 U100.11 U100.47 U100.54 U100.58 U100.59 U100.60 U100.62 U100.65 U100.76 U100.77 U200.3 U200.4 U200.5 U200.6 U200.14 U200.15 U200.29 U200.30 U200.31 U200.32 U200.34 U200.35 U300.13 U300.15 U300.18 U400.A2 U400.A3 U400.A5 U400.B1 U400.B5 U400.C1 U400.C3 U400.C5 U400.D1 U400.D5 U400.E1 U400.E2 U400.E3 U400.E5

## Polygon pours and split planes (outlines as drawn)
GND on Layer 1 "L1 GND" (solid, remove dead copper, pour order 14): -21.125,48.125 -21.125,-3.5 20.95,-3.5 20.95,48.125
V3_3D on Layer 1 "Layer 1-V3_3D" (solid, pour order 2): 4.143,-1.35 11.925,-1.35 11.925,2.575 13.998,4.648 13.998,7.5 11.25,7.5 11.25,4.5 7.125,0.375 4.143,0.375
V3_3D on Layer 4 "Layer 4-V3_3D" (solid, remove dead copper, pour order 4): -20.8,-3.5 -20.8,28.5 -20.8,47.8 -10.275,47.8 21,47.8 21,16.146 21.001,-3.5
VDD_MCU on Layer 4 "Layer 4-VDD_MCU" (solid, remove dead copper, pour order 0): -12.85,28.175 -12.85,6.35 9.85,6.35 9.85,28.175
GND on Layer 5 "L5 GND" (solid, remove dead copper, pour order 6): -21.125,48.125 -21.125,-3.5 20.95,-3.5 20.95,48.125
GND on Layer 6 "L6 GND" (solid, remove dead copper, pour order 8): -21.125,48.125 -21.125,-3.5 20.95,-3.5 20.95,48.125
GND on Layer 3 "L3 GND" (solid, remove dead copper, pour order 10): -21.125,48.125 -21.125,-0.075 20.95,-0.075 20.95,48.125
GND on Layer 2 "L2 GND" (solid, remove dead copper, pour order 12): -21.125,48.125 -21.125,-3.5 20.95,-3.5 20.95,48.125

## Keep-outs
Keep-Out Layer:
  lines w0.178: -20.2,5.05 cw(c-20.2,5.85) -21,5.85 -21,45.05 cw(c-18,45.05) -18,48.05 ; -20.2,5.05 -15.8,5.05 ; -20.2,5.05 -20.2,5.05 ; -18,48.05 -18,48.05 ; -18,48.05 -3.412,48.05 -3.412,46.55 20.2,46.55 ; -15.8,5.05 cw(c-15.8,4.25) -15,4.25 -15,4.05 ccw(c-14.2,4.05) -14.2,3.25 ; -15.8,5.05 -15.8,5.05 ; -14.2,3.25 -13.65,3.25 cw(c-13.65,2.45) -12.85,2.45 -12.85,-3.5 12.85,-3.5 12.85,2.45 cw(c13.65,2.45) 13.65,3.25 14.2,3.25 ccw(c14.2,4.05) 15,4.05 ; -14.2,3.25 -14.2,3.25 ; 15,4.05 15,4.25 cw(c15.8,4.25) 15.8,5.05 20.2,5.05 ccw(c20.2,5.85) 21,5.85 ; 15,4.05 15,4.05 ; 20.2,46.55 cw(c20.2,45.75) 21,45.75 ; 20.2,46.55 20.2,46.55 ; 21,5.85 21,45.75 ; 21,5.85 21,5.85 ; 21,45.75 21,45.75

## Other copper
Layer 1:
  rectangle net GND: 8.625,23.525 10,24.2
  rectangle net GND: 10.6,16.4 13.275,17.3
  rectangle net VDD_MCU_SMPS_OUT: 11.255,14.529 12.322,15.629
  pour cut-out: -3.25,45.3 -3.25,44.2 2.75,44.2 2.75,45.3
  pour cut-out: 17.913,11.88 17.913,8.87 15.55,8.87 15.55,11.88
  pour cut-out: 15.846,40.45 20.025,40.3 20.175,40.45 20.025,40.6 20.025,43.604 19.779,43.85 17.8,43.85 17.508,44.142
  text "1" at -3.25,44.2 h0.76
Layer 3:
  pour cut-out: -3.25,45.3 -3.25,44.2 2.75,44.2 2.75,45.3
  text "3" at -1.25,44.2 h0.76
Layer 4:
  pour cut-out: -3.25,45.3 -3.25,44.2 2.75,44.2 2.75,45.3
  text "4" at -0.25,44.2 h0.76
Layer 2:
  pour cut-out: -3.25,45.3 -3.25,44.2 2.75,44.2 2.75,45.3
  text "2" at -2.25,44.2 h0.76
Layer 5:
  pour cut-out: -3.25,45.3 -3.25,44.2 2.75,44.2 2.75,45.3
  pour cut-out: -3.25,45.3 -3.25,44.2 2.75,44.2 2.75,45.3
  text "5" at 0.75,44.2 h0.76
Layer 6:
  rectangle net GND: 18.545,19.131 19.154,19.863
  pour cut-out: -3.25,45.3 -3.25,44.2 2.75,44.2 2.75,45.3
  text "6" at 1.75,44.2 h0.76

## Silkscreen, mask and mechanical layers (free items; w line width, h text height)
Top Overlay:
  lines w0.178: 14.65,15.6 14.35,15.9 ; 14.65,16.2 14.35,15.9 ; 15.95,14.3 16.25,14 ; 16.55,14.3 16.25,14 ; 14.35,15.9 16.25,15.9 16.25,14
  text "RX" at 8.1,44.9 h0.76 r270
  text "TX" at 9.25,44.9 h0.76 r270
  text "RESET" at -15.875,29.85 h0.76 r90
  text "BOOT" at -15.9,22.475 h0.76 r90
  text "Y" at 15.15,16.3 h0.76 r90
  text "X" at 15.85,13.8 h0.76 r90
  text "QCLogic Rev A" at -7.962,0.5 h1.14
  text "Brandon Riches" at -8.533,-1.2 h1.14
  text "'.Print_Date'" at -7.854,-2.9 h1.14
Bottom Overlay:
  drawing of 18 lines, arcs and shapes, not listed
  text "VMCU" at 13.15,16.65 h0.76
  text "3_3" at 14.05,12.075 h0.76
  text "SWIO" at -12.7,11.85 h0.76
  text "SWCLK" at -15.75,7 h0.76
Top Solder:
  rectangle: 18.3,43.4 19.7,43.55
  rectangle: 17.503,17.323 19.586,19.406
  rectangle: -3.25,44.2 2.75,45.3
Bottom Solder:
  rectangle: -17.853,10.541 -16.787,11.836
  rectangle: -3.25,44.2 2.75,45.3
Mechanical 1:
  lines w0.178: -20.2,5.05 cw(c-20.2,5.85) -21,5.85 -21,45.05 cw(c-18,45.05) -18,48.05 ; -20.2,5.05 -15.8,5.05 ; -20.2,5.05 -20.2,5.05 ; -18,48.05 -18,48.05 ; -18,48.05 -3.412,48.05 -3.412,46.55 20.2,46.55 ; -15.8,5.05 cw(c-15.8,4.25) -15,4.25 -15,4.05 ccw(c-14.2,4.05) -14.2,3.25 -13.65,3.25 cw(c-13.65,2.45) -12.85,2.45 -12.85,-3.5 12.85,-3.5 12.85,2.45 cw(c13.65,2.45) 13.65,3.25 14.2,3.25 ccw(c14.2,4.05) 15,4.05 ; -15.8,5.05 -15.8,5.05 ; 15,4.05 15,4.25 cw(c15.8,4.25) 15.8,5.05 20.2,5.05 ccw(c20.2,5.85) 21,5.85 ; 15,4.05 15,4.05 ; 20.2,46.55 cw(c20.2,45.75) 21,45.75 ; 20.2,46.55 20.2,46.55 ; 21,5.85 21,45.75 ; 21,5.85 21,5.85 ; 21,45.75 21,45.75
Mechanical 8:
  lines w0.178: -21,47.25 cw(c-20.2,47.25) -20.2,48.05 -3.412,48.05 -3.412,46.527 9.25,46.527 9.25,48.05 20.2,48.05 ; -21,47.25 -21,5.85 ccw(c-20.2,5.85) -20.2,5.05 ; -21,47.25 -21,47.25 ; -20.2,5.05 -15.8,5.05 ; -20.2,5.05 -20.2,5.05 ; -15.8,5.05 cw(c-15.8,4.25) -15,4.25 -15,4.05 ccw(c-14.2,4.05) -14.2,3.25 ; -15.8,5.05 -15.8,5.05 ; -14.2,3.25 -13.65,3.25 cw(c-13.65,2.45) -12.85,2.45 -12.85,0 -4.6,0 -4.6,3.25 cw(c-3.85,3.25) -3.1,3.25 -3.1,0 12.85,0 12.85,2.45 cw(c13.65,2.45) 13.65,3.25 14.2,3.25 ccw(c14.2,4.05) 15,4.05 ; -14.2,3.25 -14.2,3.25 ; 15,4.05 15,4.25 cw(c15.8,4.25) 15.8,5.05 20.2,5.05 ccw(c20.2,5.85) 21,5.85 ; 15,4.05 15,4.05 ; 20.2,48.05 cw(c20.2,47.25) 21,47.25 21,5.85 ; 20.2,48.05 20.2,48.05 ; 21,5.85 21,5.85
  lines w0.254: -50.35,20 -25.35,20 ; -50.35,20 -50.35,35 ; -50.35,20 -25.35,20 ; -50.35,20 -50.35,35 ; -50.35,20 -25.35,20 ; -50.35,20 -50.35,35 ; -50.35,20 -25.35,20 ; -50.35,20 -50.35,35 ; -50.35,20 -25.35,20 ; -50.35,20 -50.35,35 ; -50.35,20 -25.35,20 ; -50.35,20 -50.35,35 ; -50.35,22.5 -25.35,22.5 ; -50.35,22.5 -50.35,25 ; -50.35,22.5 -25.35,22.5 ; -50.35,22.5 -50.35,25 ; -50.35,22.5 -25.35,22.5 ; -50.35,22.5 -50.35,25 ; -50.35,22.5 -25.35,22.5 ; -50.35,22.5 -50.35,25 ; -50.35,22.5 -25.35,22.5 ; -50.35,22.5 -50.35,25 ; -50.35,22.5 -25.35,22.5 ; -50.35,22.5 -50.35,25 ; -50.35,25 -25.35,25 ; -50.35,25 -25.35,25 ; -50.35,25 -25.35,25 ; -50.35,25 -25.35,25 ; -50.35,25 -25.35,25 ; -50.35,25 -25.35,25 ; -50.35,27.5 -25.35,27.5 ; -50.35,27.5 -25.35,27.5 ; -50.35,27.5 -25.35,27.5 ; -50.35,27.5 -25.35,27.5 ; -50.35,27.5 -25.35,27.5 ; -50.35,27.5 -25.35,27.5 ; -50.35,30 -25.35,30 ; -50.35,30 -25.35,30 ; -50.35,30 -25.35,30 ; -50.35,30 -25.35,30 ; -50.35,30 -25.35,30 ; -50.35,30 -25.35,30 ; -50.35,32.5 -25.35,32.5 ; -50.35,32.5 -25.35,32.5 ; -50.35,32.5 -25.35,32.5 ; -50.35,32.5 -25.35,32.5 ; -50.35,32.5 -25.35,32.5 ; -50.35,32.5 -25.35,32.5 ; -50.35,35 -25.35,35 ; -50.35,35 -25.35,35 ; -50.35,35 -25.35,35 ; -50.35,35 -25.35,35 ; -50.35,35 -25.35,35 ; -50.35,35 -25.35,35 ; -45.35,20 -45.35,35 ; -45.35,20 -45.35,35 ; -45.35,20 -45.35,35 ; -45.35,20 -45.35,35 ; -45.35,20 -45.35,35 ; -45.35,20 -45.35,35 ; -25.35,20 -25.35,35 ; -25.35,20 -25.35,35 ; -25.35,20 -25.35,35 ; -25.35,20 -25.35,35 ; -25.35,20 -25.35,35 ; -25.35,20 -25.35,35 ; -25.35,25 -25.35,27.5 ; -25.35,25 -25.35,27.5 ; -25.35,25 -25.35,27.5 ; -25.35,25 -25.35,27.5 ; -25.35,25 -25.35,27.5 ; -25.35,25 -25.35,27.5 ; -25.35,30 -25.35,32.5 ; -25.35,30 -25.35,32.5 ; -25.35,30 -25.35,32.5 ; -25.35,30 -25.35,32.5 ; -25.35,30 -25.35,32.5 ; -25.35,30 -25.35,32.5
  text "L1" at -49.95,32.7 h1.52
  text "SIGNAL" at -44.95,32.7 h1.52
  text "L2" at -49.95,30.2 h1.52
  text "GND (PARTIAL)" at -44.95,30.2 h1.52
  text "L3" at -49.95,27.7 h1.52
  text "SIGNAL" at -44.95,27.7 h1.52
  text "L4" at -49.95,25.2 h1.52
  text "POWER PLANES" at -44.95,25.2 h1.52
  text "L5" at -49.95,22.7 h1.52
  text "GND" at -44.95,22.7 h1.52
  text "L6" at -49.95,20.2 h1.52
  text "SIGNAL (HS)" at -44.95,20.2 h1.52